# KiCad board MozzaCircuit.kicad_pcb (continued)
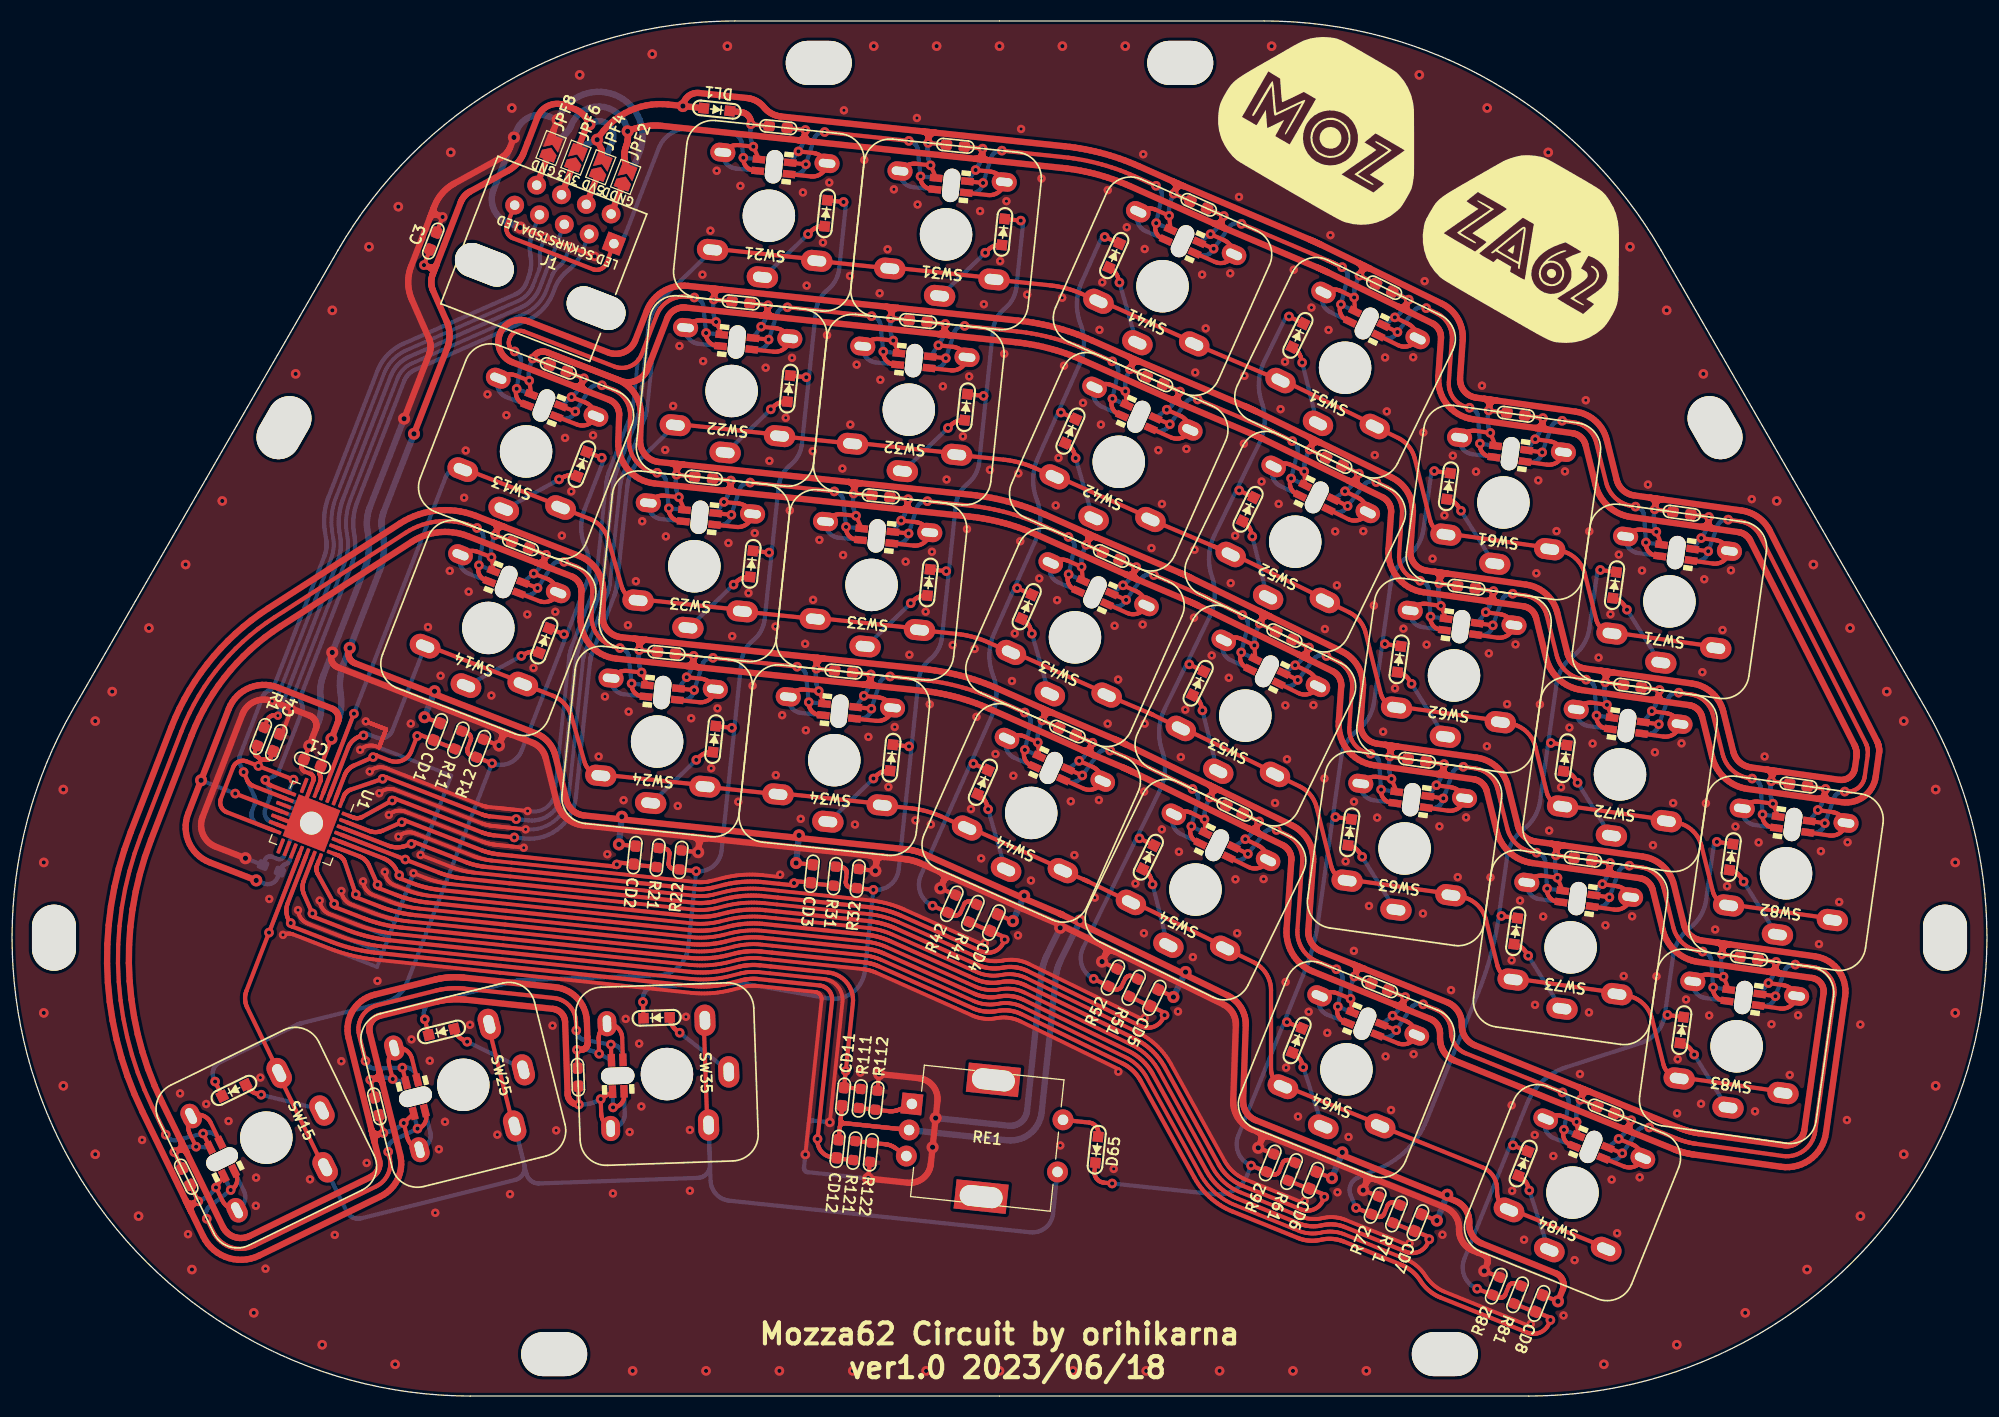
[diagram p0: board, top side]
## Routing (per net, layer and track width the routed paths; a pad name or vN(x,y) marks a point on that pad's centre or on a via; arc(x,y) is an arc through that point) (continued)
  Bottom w0.4: 141.86,45.83 141.79,45.33 141.71,44.83 141.61,44.34 141.52,43.84 141.41,43.34 141.29,42.85 141.17,42.36 141.04,41.87 140.9,41.39 140.75,40.9 140.6,40.42 140.44,39.94 140.27,39.47 140.09,38.99 139.9,38.52 134.97,26.32 134.8,25.91 134.6,25.51 134.38,25.13 134.14,24.76 133.89,24.4 133.61,24.05 133.32,23.72 133.01,23.4 132.68,23.1 132.34,22.82 131.98,22.56 131.62,22.32 131.23,22.09 130.84,21.89 130.44,21.7 128.41,20.84 128.29,20.78 128.18,20.71 128.07,20.63 127.97,20.53 127.88,20.43 127.81,20.32 127.74,20.2 127.69,20.07 127.66,19.94 127.63,19.81 127.62,19.67 127.63,19.53 127.65,19.4 127.68,19.27 127.73,19.14 v2(128.23,17.94) 129.72,17.34 130.27,17.12 130.32,17.1 130.37,17.09 130.43,17.08 130.48,17.08 130.53,17.09 130.58,17.1 130.63,17.11 130.68,17.13 130.73,17.16 130.77,17.19 130.81,17.22 130.84,17.26 130.87,17.3 130.9,17.35 130.92,17.39 131.23,18.16 131.26,18.21 131.28,18.25 131.31,18.29 131.35,18.33 131.39,18.37 131.43,18.4 131.48,18.42 131.53,18.44 131.58,18.46 131.63,18.47 131.68,18.47 131.73,18.47 131.78,18.47 131.83,18.45 131.88,18.44 R71.1 ; 141.86,45.83 D73.1 ; 141.86,45.83 142.65,51.41 142.68,51.62 142.73,51.83 142.78,52.03 142.85,52.23 142.93,52.43 143.02,52.62 143.12,52.81 143.22,53 143.34,53.17 143.47,53.34 143.6,53.51 143.74,53.66 143.9,53.81 144.05,53.95 144.22,54.08 144.39,54.22 144.54,54.36 144.7,54.5 144.84,54.66 144.97,54.82 145.1,54.99 145.22,55.17 145.32,55.35 145.42,55.54 145.51,55.74 145.59,55.93 145.66,56.13 145.71,56.34 145.76,56.54 145.79,56.75 146.58,62.34 ; 146.58,62.34 D72.1 ; 146.58,62.34 147.36,67.92 147.4,68.13 147.44,68.33 147.5,68.54 147.57,68.74 147.64,68.94 147.73,69.13 147.83,69.32 147.94,69.5 148.05,69.68 148.18,69.85 148.32,70.01 148.46,70.17 148.61,70.32 148.77,70.46 148.93,70.59 149.1,70.72 149.26,70.86 149.41,71.01 149.55,71.17 149.69,71.33 149.81,71.5 149.93,71.68 150.04,71.86 150.14,72.05 150.22,72.24 150.3,72.44 150.37,72.64 150.43,72.84 150.47,73.05 150.51,73.26 151.29,78.84 D71.1
  vias: v2(142.11,45.8) v2(146.83,62.3) v2(151.54,78.81)
Net-(D71-Pad2): length 9.7
  Top w0.4: D71.2 152.82,76.1 152.91,76.08 153,76.05 153.09,76.02 153.17,75.98 153.25,75.94 153.33,75.9 153.41,75.85 153.49,75.79 153.56,75.73 153.63,75.67 153.69,75.6 153.75,75.53 153.81,75.46 153.86,75.38 v2(154.09,75.01)
  Bottom w0.4: D71.2 152.82,76.1 152.91,76.08 153,76.05 153.09,76.02 153.17,75.98 153.25,75.94 153.33,75.9 153.41,75.85 153.49,75.79 153.56,75.73 153.63,75.67 153.69,75.6 153.75,75.53 153.81,75.46 153.86,75.38 v2(154.09,75.01) 157.21,70.02 157.22,70.01 157.23,69.99 157.25,69.98 157.26,69.98 157.28,69.97 157.3,69.97 157.32,69.97
Net-(D72-Pad2): length 9.7
  Top w0.4: 148.01,59.61 148.1,59.59 148.19,59.57 148.28,59.55 148.37,59.52 148.46,59.48 148.54,59.44 148.62,59.39 148.7,59.34 148.77,59.29 148.84,59.23 148.91,59.16 148.98,59.1 149.04,59.03 149.09,58.95 149.14,58.87 v2(149.37,58.51)
  Bottom w0.4: SW72.1 152.58,53.46 152.57,53.47 152.55,53.47 152.53,53.48 152.52,53.49 152.51,53.5 152.49,53.51 v2(149.37,58.51) 149.14,58.87 149.09,58.95 149.04,59.03 148.98,59.1 148.91,59.16 148.84,59.23 148.77,59.29 148.7,59.34 148.62,59.39 148.54,59.44 148.46,59.48 148.37,59.52 148.28,59.55 148.19,59.57 148.1,59.59 148.01,59.61
Net-(D73-Pad2): length 9.7
  Top w0.4: 143.3,43.11 143.39,43.09 143.48,43.07 143.57,43.04 143.66,43.01 143.74,42.98 143.82,42.93 143.91,42.89 143.98,42.84 144.06,42.78 144.13,42.72 144.2,42.66 144.26,42.59 144.32,42.52 144.38,42.45 144.43,42.37 v2(144.66,42.01)
  Bottom w0.4: 143.3,43.11 143.39,43.09 143.48,43.07 143.57,43.04 143.66,43.01 143.74,42.98 143.82,42.93 143.91,42.89 143.98,42.84 144.06,42.78 144.13,42.72 144.2,42.66 144.26,42.59 144.32,42.52 144.38,42.45 144.43,42.37 v2(144.66,42.01) 147.78,37.01 147.79,37 147.8,36.98 147.82,36.97 147.83,36.97 147.85,36.96 147.87,36.96 SW73.1
Net-(D82-Pad1): length 74.7
  Top w0.4: D84.1 142.98,24.01 ; D82.1 162.42,52.9 ; D83.1 157.7,36.39 ; v2(139.79,10.24) R82.1 141.83,9.41 141.88,9.4 141.93,9.38 141.98,9.38 142.03,9.38 142.09,9.38 142.14,9.39 142.19,9.41 142.24,9.43 142.28,9.45 142.32,9.48 142.36,9.52 142.4,9.56 142.43,9.6 142.46,9.64 142.48,9.69 142.79,10.46 142.81,10.5 142.84,10.55 142.87,10.59 142.91,10.63 142.94,10.66 142.99,10.69 143.03,10.72 143.08,10.74 143.13,10.75 143.18,10.76 143.24,10.77 143.29,10.77 143.34,10.76 143.39,10.75 143.44,10.73 R81.1
  Bottom w0.4: 157.7,36.39 157.66,36.15 157.6,35.91 157.52,35.68 157.42,35.45 157.31,35.23 157.18,35.02 157.04,34.82 156.88,34.63 156.7,34.45 156.52,34.28 156.32,34.13 156.11,34 155.9,33.88 155.67,33.78 155.44,33.69 148.26,31.36 147.93,31.24 147.61,31.11 147.3,30.95 147,30.78 146.7,30.59 146.42,30.38 146.15,30.16 145.9,29.92 145.66,29.67 145.43,29.4 145.22,29.13 145.03,28.84 144.85,28.53 144.69,28.22 144.55,27.9 142.98,24.01 ; 157.7,36.39 158.49,41.98 158.52,42.19 158.57,42.39 158.63,42.6 158.69,42.8 158.77,43 158.86,43.19 158.96,43.38 159.06,43.56 159.18,43.74 159.31,43.91 159.44,44.07 159.59,44.23 159.74,44.37 159.9,44.52 160.06,44.65 160.23,44.78 160.39,44.92 160.54,45.07 160.68,45.22 160.81,45.39 160.94,45.56 161.06,45.74 161.17,45.92 161.26,46.11 161.35,46.3 161.43,46.5 161.5,46.7 161.55,46.9 161.6,47.11 161.63,47.32 162.42,52.9 D82.1 ; 157.7,36.39 D83.1 ; D84.1 142.98,24.01 ; 142.98,24.01 138.57,13.1 138.5,12.88 138.45,12.66 138.42,12.43 138.41,12.2 138.43,11.97 138.48,11.75 138.55,11.53 138.64,11.31 138.75,11.11 138.88,10.92 139.03,10.75 139.2,10.59 139.38,10.45 139.58,10.33 v2(139.79,10.24) R82.1 141.83,9.41 141.88,9.4 141.93,9.38 141.98,9.38 142.03,9.38 142.09,9.38 142.14,9.39 142.19,9.41 142.24,9.43 142.28,9.45 142.32,9.48 142.36,9.52 142.4,9.56 142.43,9.6 142.46,9.64 142.48,9.69 142.79,10.46 142.81,10.5 142.84,10.55 142.87,10.59 142.91,10.63 142.94,10.66 142.99,10.69 143.03,10.72 143.08,10.74 143.13,10.75 143.18,10.76 143.24,10.77 143.29,10.77 143.34,10.76 143.39,10.75 143.44,10.73 R81.1
  vias: v2(143.21,23.91) v2(157.95,36.36) v2(162.67,52.87)
Net-(D82-Pad2): length 9.7
  Top w0.4: v2(165.21,49.07) 164.99,49.44 164.93,49.52 164.88,49.59 164.82,49.66 164.75,49.73 164.69,49.79 164.61,49.85 164.54,49.91 164.46,49.96 164.38,50 164.3,50.04 164.21,50.08 164.12,50.11 164.04,50.14 163.95,50.16 163.85,50.17
  Bottom w0.4: 163.85,50.17 163.95,50.16 164.04,50.14 164.12,50.11 164.21,50.08 164.3,50.04 164.38,50 164.46,49.96 164.54,49.91 164.61,49.85 164.69,49.79 164.75,49.73 164.82,49.66 164.88,49.59 164.93,49.52 164.99,49.44 v2(165.21,49.07) 168.34,44.08 168.35,44.06 168.36,44.05 168.37,44.04 168.39,44.03 168.41,44.03 168.42,44.03 SW82.1
Net-(D83-Pad2): length 9.7
  Top w0.4: v2(160.5,32.57) 160.27,32.93 160.22,33.01 160.16,33.09 160.1,33.16 160.04,33.22 159.97,33.29 159.9,33.35 159.82,33.4 159.75,33.45 159.67,33.5 159.58,33.54 159.5,33.57 159.41,33.61 159.32,33.63 159.23,33.65 D83.2
  Bottom w0.4: 163.73,27.52 163.71,27.52 163.69,27.52 163.68,27.53 163.66,27.54 163.64,27.55 163.63,27.56 163.62,27.57 v2(160.5,32.57) 160.27,32.93 160.22,33.01 160.16,33.09 160.1,33.16 160.04,33.22 159.97,33.29 159.9,33.35 159.82,33.4 159.75,33.45 159.67,33.5 159.58,33.54 159.5,33.57 159.41,33.61 159.32,33.63 159.23,33.65 D83.2
Net-(D84-Pad2): length 9.7
  Top w0.4: D84.2 143.8,20.98 143.88,20.94 143.96,20.89 144.04,20.84 144.11,20.78 144.18,20.72 144.25,20.66 144.31,20.59 144.37,20.52 144.43,20.44 144.48,20.37 144.52,20.28 144.57,20.2 144.6,20.12 144.63,20.03 v2(144.77,19.62)
  Bottom w0.4: D84.2 143.8,20.98 143.88,20.94 143.96,20.89 144.04,20.84 144.11,20.78 144.18,20.72 144.25,20.66 144.31,20.59 144.37,20.52 144.43,20.44 144.48,20.37 144.52,20.28 144.57,20.2 144.6,20.12 144.63,20.03 v2(144.77,19.62) 146.59,14.02 146.59,14 146.6,13.99 146.62,13.97 146.63,13.96 146.64,13.95 146.66,13.94 146.68,13.94
Net-(J1-Pad2): length 6.2
  Top w0.6: J1.2 JPF2.1
  Bottom w0.6: J1.2 JPF2.1
Net-(J1-Pad4): length 6.2
  Top w0.6: 54.79,113.68 JPF4.1
  Bottom w0.6: 54.79,113.68 JPF4.1
Net-(J1-Pad6): length 6.2
  Top w0.6: 52.43,114.6 JPF6.1
  Bottom w0.6: 52.43,114.6 JPF6.1
Net-(J1-Pad8): length 6.2
  Top w0.6: J1.8 JPF8.1
  Bottom w0.6: J1.8 JPF8.1
Net-(L13-Pad1): length 26.1
  Top w0.4: L23.3 63.65,83.48 63.53,83.5 63.42,83.53 63.31,83.57 63.21,83.62 63.12,83.69 63.03,83.76 62.94,83.84 62.87,83.93 62.81,84.03 62.76,84.13 62.72,84.24 62.69,84.35 62.67,84.46 62.66,84.58 v2(62.67,84.69) ; v2(56.28,96.42) 57.34,96.01 57.53,95.93 57.72,95.83 57.89,95.71 58.06,95.58 58.21,95.44 58.36,95.29 58.49,95.12 58.6,94.95 58.7,94.76 58.79,94.57 58.86,94.37 58.91,94.17 58.95,93.96 58.97,93.75 58.97,93.54 58.88,91.15 58.89,90.85 58.92,90.55 58.99,90.26 59.08,89.98 59.2,89.7 59.35,89.44 59.52,89.2 59.71,88.98 59.93,88.77 60.17,88.59 60.42,88.43 60.69,88.3 60.97,88.2 61.26,88.12 v2(61.55,88.08) ; L13.1 v2(53.74,93.92)
  Bottom w0.4: L13.5 52.32,93.29 52.43,93.26 52.54,93.23 52.65,93.22 52.77,93.22 52.88,93.23 53,93.26 53.11,93.29 53.21,93.34 53.31,93.39 53.41,93.46 53.49,93.54 53.57,93.62 53.64,93.72 53.69,93.82 v2(53.74,93.92) 55.14,96.06 55.19,96.13 55.25,96.19 55.31,96.25 55.38,96.31 55.45,96.35 55.52,96.39 55.6,96.43 55.69,96.45 55.77,96.47 55.86,96.48 55.94,96.49 56.03,96.48 56.11,96.47 56.2,96.45 v2(56.28,96.42) ; 64.16,84.53 v2(62.67,84.69) 62.4,87.23 62.39,87.31 62.37,87.4 62.34,87.48 62.3,87.56 62.26,87.63 62.21,87.7 62.16,87.77 62.1,87.83 62.03,87.89 61.96,87.94 61.88,87.98 61.8,88.01 61.72,88.04 61.64,88.06 v2(61.55,88.08)
Net-(L13-Pad3): length 38.9
  Top w0.4: v2(48.15,96.09) 48.11,95.98 48.09,95.87 48.07,95.76 48.07,95.64 48.09,95.53 48.11,95.41 48.14,95.3 48.19,95.2 48.25,95.1 48.32,95 48.39,94.92 48.48,94.84 48.57,94.77 48.67,94.71 48.78,94.67 49.15,94.52 ; v2(47.96,99.65) 47.87,99.69 47.79,99.74 47.72,99.79 47.65,99.85 47.59,99.92 47.53,100 47.49,100.08 47.45,100.16 47.42,100.25 47.4,100.34 47.39,100.43 47.39,100.53 47.4,100.62 47.42,100.71 47.45,100.8 47.51,100.95 47.56,101.05 47.61,101.14 47.68,101.23 47.75,101.31 47.83,101.39 47.92,101.45 48.02,101.51 48.12,101.55 48.22,101.58 48.33,101.61 48.44,101.62 48.55,101.62 48.66,101.61 48.77,101.58 48.87,101.55 57.47,98.21 57.67,98.15 57.87,98.1 58.08,98.08 58.29,98.08 58.5,98.1 58.7,98.14 58.9,98.21 59.09,98.29 59.28,98.4 59.45,98.52 59.6,98.66 59.74,98.81 59.87,98.98 59.97,99.16 60.06,99.35 61.52,103.13 61.62,103.35 61.73,103.56 61.87,103.76 62.02,103.95 62.18,104.12 62.36,104.28 62.55,104.42 62.76,104.55 62.97,104.65 63.19,104.74 63.42,104.81 63.66,104.85 63.9,104.88 64.13,104.89 64.37,104.87 v2(65.11,104.8) ; L22.1 67.2,100.2 67.09,100.22 66.98,100.25 66.87,100.29 66.77,100.34 66.67,100.41 66.58,100.48 66.5,100.56 66.43,100.65 66.36,100.75 66.31,100.85 66.27,100.96 66.24,101.07 66.22,101.18 66.22,101.3 v2(66.22,101.41)
  Bottom w0.4: L22.5 v2(66.22,101.41) 65.96,103.95 65.94,104.03 65.92,104.12 65.89,104.2 65.86,104.28 65.82,104.35 65.77,104.42 65.71,104.49 65.65,104.55 65.58,104.61 65.51,104.66 65.44,104.7 65.36,104.73 65.28,104.76 65.19,104.78 v2(65.11,104.8) ; 49.55,95.55 v2(48.15,96.09) 48.56,98.61 48.57,98.7 48.57,98.78 48.56,98.87 48.55,98.95 48.53,99.04 48.5,99.12 48.46,99.2 48.42,99.27 48.37,99.34 48.31,99.41 48.25,99.47 48.19,99.53 48.11,99.57 48.04,99.62 v2(47.96,99.65)
Net-(L14-Pad1): length 91.5
  Top w0.4: v2(44.55,79.25) 44.51,79.14 44.49,79.03 44.47,78.92 44.47,78.8 44.48,78.69 44.51,78.57 44.54,78.46 44.59,78.36 44.65,78.26 44.71,78.17 44.79,78.08 44.88,78 44.97,77.93 45.07,77.88 45.17,77.83 45.55,77.68 ; v2(14.67,24.93) 13.37,27.59 12.64,29.21 11.99,30.86 11.44,32.54 10.98,34.26 10.62,35.99 10.35,37.75 10.18,39.51 10.11,41.28 10.13,43.06 10.25,44.83 10.47,46.59 10.78,48.33 11.19,50.06 11.69,51.76 12.29,53.43 16.15,63.4 16.52,64.28 16.92,65.14 17.35,65.99 17.82,66.82 18.33,67.62 18.87,68.41 19.44,69.17 20.04,69.91 20.67,70.62 21.33,71.31 22.02,71.96 22.74,72.59 23.48,73.19 24.25,73.75 25.04,74.29 37.58,82.37 37.95,82.59 38.34,82.79 38.74,82.97 39.15,83.12 39.57,83.25 39.99,83.34 40.42,83.42 40.86,83.46 41.29,83.48 41.73,83.47 42.17,83.43 42.6,83.36 43.02,83.27 43.45,83.15 43.86,83.01 v2(44.36,82.81) ; L15.3 v2(18.23,25.04)
  Bottom w0.4: v2(44.36,82.81) 44.44,82.78 44.51,82.73 44.58,82.69 44.65,82.63 44.71,82.57 44.77,82.5 44.82,82.43 44.86,82.36 44.9,82.28 44.93,82.2 44.95,82.11 44.96,82.03 44.97,81.94 44.96,81.86 44.95,81.77 v2(44.55,79.25) 45.94,78.71 ; v2(14.67,24.93) 14.71,24.86 14.76,24.79 14.81,24.72 14.87,24.66 14.94,24.6 15.01,24.55 15.08,24.51 15.16,24.47 15.24,24.44 15.33,24.42 15.41,24.41 15.5,24.4 15.58,24.4 15.67,24.41 15.76,24.43 v2(18.23,25.04) 18.34,25.09 18.45,25.12 18.56,25.15 18.67,25.16 18.79,25.15 18.9,25.14 19.02,25.11 19.12,25.08 19.23,25.03 19.33,24.97 19.42,24.9 19.5,24.82 19.58,24.73 19.65,24.64 19.7,24.54 L15.7
Net-(L14-Pad3): length 26
  Top w0.4: v2(59.11,67.97) 59.11,67.86 59.11,67.74 59.13,67.63 59.16,67.52 59.2,67.41 59.25,67.31 59.32,67.21 59.39,67.12 59.47,67.04 59.56,66.97 59.66,66.9 59.76,66.85 59.87,66.81 59.98,66.78 60.09,66.76 L24.1 ; v2(58,71.36) 57.7,71.4 57.41,71.48 57.12,71.58 56.85,71.72 56.59,71.88 56.35,72.06 56.13,72.27 55.93,72.5 55.76,72.75 55.61,73.01 55.49,73.29 55.39,73.57 55.33,73.87 55.29,74.17 55.29,74.47 55.37,76.71 55.36,76.92 55.35,77.12 55.31,77.33 55.26,77.54 55.19,77.73 55.1,77.93 55,78.11 54.89,78.28 54.76,78.45 54.61,78.6 54.46,78.75 54.29,78.87 54.12,78.99 53.93,79.09 53.74,79.17 v2(52.68,79.58) ; 48.74,77.62 v2(50.14,77.08)
  Bottom w0.4: L24.5 v2(59.11,67.97) 58.85,70.51 58.83,70.59 58.81,70.68 58.79,70.76 58.75,70.84 58.71,70.91 58.66,70.98 58.6,71.05 58.54,71.11 58.48,71.17 58.4,71.22 58.33,71.26 58.25,71.29 58.17,71.32 58.08,71.34 v2(58,71.36) ; 48.34,76.6 48.72,76.45 48.83,76.42 48.94,76.39 49.05,76.38 49.17,76.38 49.28,76.39 49.4,76.42 49.51,76.45 49.61,76.5 49.71,76.56 49.8,76.62 49.89,76.7 49.97,76.79 50.04,76.88 50.09,76.98 v2(50.14,77.08) 51.54,79.22 51.59,79.29 51.64,79.35 51.71,79.41 51.77,79.47 51.85,79.51 51.92,79.55 52,79.59 52.08,79.61 52.17,79.63 52.25,79.64 52.34,79.65 52.43,79.64 52.51,79.63 52.6,79.61 v2(52.68,79.58)
Net-(L15-Pad1): length 37.7
  Top w0.4: 21.19,21.48 21.37,21.12 21.41,21.02 21.45,20.91 21.47,20.79 21.48,20.68 21.48,20.56 21.46,20.45 21.44,20.34 21.4,20.23 21.35,20.12 21.29,20.03 21.22,19.93 21.14,19.85 21.06,19.77 20.96,19.71 v2(20.86,19.65) ; v2(18.58,16.91) 19.18,15.69 19.32,15.42 19.5,15.17 19.7,14.93 19.93,14.72 20.18,14.54 20.44,14.38 20.72,14.25 21.01,14.15 21.31,14.08 21.62,14.04 21.93,14.04 22.24,14.06 22.54,14.12 22.84,14.21 23.12,14.33 34.72,19.99 34.91,20.09 35.1,20.22 35.27,20.36 35.43,20.51 35.57,20.68 35.7,20.86 35.81,21.05 35.91,21.26 35.98,21.47 36.04,21.68 36.07,21.9 36.09,22.12 36.09,22.34 36.06,22.56 36.02,22.78 v2(35.89,23.3) ; v2(38.69,25.51) 38.8,25.54 38.9,25.59 39.01,25.64 39.1,25.71 39.19,25.79 39.27,25.87 39.33,25.96 39.39,26.06 39.44,26.16 39.48,26.27 39.51,26.39 39.52,26.5 39.52,26.62 39.51,26.73 39.49,26.84 39.39,27.23
  Bottom w0.4: L15.5 v2(20.86,19.65) 18.85,18.08 18.78,18.02 18.72,17.96 18.67,17.9 18.62,17.82 18.58,17.75 18.55,17.67 18.52,17.59 18.5,17.5 18.49,17.42 18.48,17.33 18.49,17.24 18.5,17.16 18.52,17.07 18.55,16.99 v2(18.58,16.91) ; v2(35.89,23.3) 35.87,23.39 35.86,23.48 35.86,23.56 35.87,23.65 35.88,23.73 35.9,23.82 35.93,23.9 35.97,23.98 36.01,24.05 36.06,24.12 36.12,24.19 36.18,24.25 36.25,24.3 36.32,24.35 36.4,24.39 v2(38.69,25.51) 38.33,26.96
Net-(L21-Pad1): length 23
  Top w0.4: v2(77.54,120.58) 85.57,119.74 ; L21.1 v2(75.74,117.5) ; v2(86.68,116.35) 86.68,116.24 86.68,116.12 86.7,116.01 86.73,115.9 86.77,115.79 86.82,115.69 86.89,115.59 86.96,115.5 87.04,115.42 87.13,115.35 87.23,115.29 87.33,115.23 87.44,115.19 87.55,115.16 87.66,115.15 88.06,115.1
  Bottom w0.4: v2(85.57,119.74) 85.65,119.73 85.74,119.7 85.82,119.68 85.9,119.64 85.97,119.6 86.04,119.55 86.11,119.49 86.17,119.43 86.23,119.37 86.28,119.3 86.32,119.22 86.35,119.14 86.38,119.06 86.4,118.98 86.42,118.89 v2(86.68,116.35) L31.7 ; v2(77.54,120.58) 77.45,120.59 77.36,120.59 77.28,120.58 77.19,120.56 77.11,120.53 77.03,120.5 76.95,120.46 76.88,120.41 76.81,120.36 76.75,120.3 76.69,120.23 76.64,120.16 76.6,120.09 76.56,120.01 76.53,119.93 v2(75.74,117.5) 75.72,117.39 75.69,117.28 75.65,117.17 75.6,117.07 75.54,116.97 75.47,116.88 75.38,116.8 75.3,116.73 75.2,116.67 75.1,116.61 74.99,116.57 74.88,116.54 74.76,116.52 74.65,116.52 74.53,116.52 L21.5
Net-(L22-Pad3): length 23
  Top w0.4: v2(83.13,99.63) 83.12,99.52 83.13,99.4 83.15,99.29 83.18,99.18 83.22,99.07 83.27,98.97 83.33,98.87 83.41,98.78 83.49,98.7 83.58,98.63 83.67,98.57 83.78,98.51 83.88,98.47 83.99,98.44 84.11,98.43 84.51,98.38 ; L22.3 v2(72.19,100.78) ; v2(73.98,103.86) 82.01,103.02
  Bottom w0.4: v2(73.98,103.86) 73.9,103.87 73.81,103.87 73.72,103.86 73.64,103.84 73.56,103.81 73.48,103.78 73.4,103.74 73.33,103.69 73.26,103.64 73.2,103.58 73.14,103.51 73.09,103.44 73.05,103.37 73.01,103.29 72.98,103.21 v2(72.19,100.78) 72.17,100.67 72.14,100.56 72.1,100.45 72.05,100.35 71.98,100.25 71.91,100.16 71.83,100.08 71.74,100.01 71.64,99.95 71.54,99.89 71.43,99.85 71.32,99.82 71.21,99.8 71.09,99.8 70.98,99.8 70.58,99.85 ; v2(82.01,103.02) 82.1,103.01 82.18,102.98 82.26,102.96 82.34,102.92 82.42,102.88 82.49,102.83 82.56,102.77 82.62,102.71 82.67,102.65 82.72,102.58 82.76,102.5 82.8,102.42 82.83,102.34 82.85,102.26 82.86,102.17 v2(83.13,99.63) L32.5
Net-(L23-Pad1): length 23
  Top w0.4: L23.1 v2(68.63,84.06) ; v2(79.57,82.91) 79.57,82.8 79.57,82.68 79.59,82.57 79.62,82.46 79.66,82.35 79.72,82.25 79.78,82.15 79.85,82.06 79.93,81.98 80.02,81.91 80.12,81.85 80.22,81.79 80.33,81.75 80.44,81.72 80.55,81.71 80.95,81.66 ; v2(70.43,87.14) 78.46,86.3
  Bottom w0.4: v2(70.43,87.14) 70.34,87.15 70.26,87.15 70.17,87.14 70.09,87.12 70,87.09 69.92,87.06 69.85,87.02 69.77,86.97 69.71,86.92 69.64,86.86 69.59,86.79 69.54,86.72 69.49,86.65 69.45,86.57 69.42,86.49 v2(68.63,84.06) 68.62,83.95 68.59,83.84 68.55,83.73 68.49,83.63 68.43,83.53 68.36,83.44 68.28,83.36 68.19,83.29 68.09,83.23 67.99,83.17 67.88,83.13 67.77,83.1 67.66,83.08 67.54,83.08 67.43,83.08 L23.5 ; v2(78.46,86.3) 78.55,86.29 78.63,86.26 78.71,86.24 78.79,86.2 78.87,86.16 78.94,86.11 79,86.05 79.06,85.99 79.12,85.93 79.17,85.86 79.21,85.78 79.25,85.7 79.27,85.62 79.3,85.54 79.31,85.45 v2(79.57,82.91) L33.7
Net-(L24-Pad3): length 23
  Top w0.4: v2(66.87,70.42) 74.91,69.58 ; 77.4,64.94 77,64.99 76.89,65 76.77,65.03 76.67,65.07 76.56,65.13 76.47,65.19 76.38,65.26 76.3,65.34 76.22,65.43 76.16,65.53 76.11,65.63 76.07,65.74 76.04,65.85 76.02,65.96 76.01,66.08 v2(76.02,66.19) ; L24.3 v2(65.08,67.34)
  Bottom w0.4: v2(74.91,69.58) 74.99,69.57 75.08,69.54 75.16,69.52 75.24,69.48 75.31,69.44 75.38,69.39 75.45,69.33 75.51,69.27 75.57,69.21 75.61,69.14 75.66,69.06 75.69,68.98 75.72,68.9 75.74,68.82 75.75,68.73 v2(76.02,66.19) L34.5 ; v2(66.87,70.42) 66.79,70.43 66.7,70.43 66.62,70.42 66.53,70.4 66.45,70.37 66.37,70.34 66.29,70.3 66.22,70.25 66.15,70.2 66.09,70.14 66.03,70.07 65.98,70 65.94,69.93 65.9,69.85 65.87,69.77 v2(65.08,67.34) 65.06,67.23 65.03,67.12 64.99,67.01 64.94,66.91 64.88,66.81 64.8,66.72 64.72,66.64 64.63,66.57 64.54,66.51 64.43,66.45 64.33,66.41 64.22,66.38 64.1,66.36 63.99,66.36 63.87,66.36 63.47,66.41
Net-(L25-Pad1): length 42.5
  Top w0.4: L25.1 v2(37.24,31.33) ; v2(33.73,31.96) 33.11,34.43 33.07,34.67 33.05,34.91 33.05,35.16 33.08,35.4 33.14,35.64 33.22,35.88 33.32,36.1 33.45,36.31 33.59,36.51 33.76,36.69 33.95,36.85 34.15,36.99 34.37,37.11 34.59,37.2 34.83,37.28 40.42,38.67 40.6,38.71 40.78,38.75 40.97,38.79 41.15,38.82 41.33,38.84 41.52,38.86 41.7,38.88 41.89,38.89 42.08,38.9 42.26,38.91 42.45,38.91 42.63,38.9 42.82,38.89 43.01,38.88 43.19,38.86 51.7,37.97 51.93,37.94 52.14,37.88 52.35,37.8 52.56,37.71 52.75,37.6 52.93,37.46 53.1,37.32 53.25,37.15 53.39,36.97 53.51,36.78 53.61,36.58 53.69,36.37 53.75,36.16 53.79,35.94 53.81,35.71 v2(53.84,34.88) ; L35.3 v2(57.14,33.53)
  Bottom w0.4: v2(33.73,31.96) 33.75,31.88 33.79,31.8 33.82,31.72 33.87,31.65 33.92,31.58 33.98,31.52 34.05,31.46 34.11,31.41 34.19,31.36 34.27,31.32 34.35,31.29 34.43,31.27 34.51,31.25 34.6,31.24 34.69,31.24 v2(37.24,31.33) 37.35,31.35 37.47,31.36 37.58,31.36 37.69,31.35 37.81,31.32 37.92,31.28 38.02,31.24 38.12,31.18 38.21,31.11 38.29,31.03 38.37,30.94 38.44,30.85 38.49,30.75 38.54,30.64 38.57,30.53 38.67,30.14 ; L35.7 58.27,32.47 58.26,32.58 58.24,32.7 58.21,32.81 58.16,32.91 58.11,33.01 58.04,33.11 57.97,33.19 57.88,33.27 57.79,33.34 57.69,33.4 57.59,33.45 57.48,33.49 57.37,33.51 57.25,33.53 v2(57.14,33.53) 54.62,33.97 54.54,33.99 54.46,34.02 54.38,34.05 54.3,34.09 54.23,34.14 54.16,34.19 54.1,34.25 54.04,34.32 53.99,34.39 53.95,34.46 53.91,34.54 53.88,34.62 53.86,34.71 53.84,34.79 v2(53.84,34.88)
Net-(L31-Pad1): length 30.2
  Top w0.4: v2(109.17,111.89) 109.13,111.78 109.1,111.67 109.08,111.56 109.07,111.44 109.08,111.33 109.1,111.21 109.13,111.1 109.17,111 109.22,110.89 109.28,110.8 109.35,110.71 109.44,110.63 109.52,110.55 109.62,110.49 109.72,110.44 110.09,110.28 ; v2(109.15,115.45) 107.06,116.38 106.64,116.57 106.2,116.74 105.77,116.91 105.33,117.07 104.89,117.22 104.44,117.36 103.99,117.49 103.54,117.61 103.09,117.72 102.63,117.82 102.17,117.92 101.71,118 101.25,118.07 100.79,118.13 100.33,118.19 v2(94.44,118.81) ; 91.16,115.88 v2(92.65,115.73)
  Bottom w0.4: 91.04,114.79 91.44,114.75 91.56,114.74 91.67,114.75 91.78,114.77 91.9,114.8 92,114.84 92.11,114.89 92.2,114.95 92.29,115.02 92.37,115.11 92.45,115.2 92.51,115.29 92.56,115.39 92.6,115.5 92.63,115.61 v2(92.65,115.73) 93.44,118.15 93.47,118.23 93.51,118.31 93.55,118.39 93.6,118.46 93.66,118.52 93.72,118.58 93.79,118.63 93.86,118.68 93.94,118.72 94.02,118.75 94.1,118.78 94.19,118.8 94.27,118.81 94.36,118.81 v2(94.44,118.81) ; L41.7 v2(109.17,111.89) 109.7,114.38 109.71,114.47 109.72,114.56 109.72,114.64 109.71,114.73 109.69,114.81 109.66,114.9 109.63,114.98 109.59,115.05 109.55,115.13 109.49,115.2 109.44,115.26 109.37,115.32 109.3,115.37 109.23,115.41 v2(109.15,115.45)
Net-(L32-Pad3): length 29.6
  Top w0.4: v2(90.89,102.09) 95.87,101.56 96.33,101.51 96.8,101.45 97.26,101.37 97.72,101.29 98.18,101.2 98.63,101.1 99.09,100.98 99.54,100.86 99.99,100.73 100.43,100.59 100.87,100.44 101.31,100.29 101.75,100.12 102.18,99.94 102.61,99.76 v2(104.97,98.7) ; L32.3 v2(89.1,99.01) ; v2(104.99,95.14) 104.95,95.03 104.92,94.92 104.9,94.81 104.89,94.69 104.9,94.58 104.92,94.47 104.95,94.35 104.99,94.25 105.04,94.14 105.1,94.05 105.18,93.96 105.26,93.88 105.35,93.8 105.44,93.74 105.55,93.69 L42.1
  Bottom w0.4: 106.36,94.53 v2(104.99,95.14) 105.52,97.63 105.53,97.72 105.54,97.81 105.54,97.89 105.53,97.98 105.51,98.06 105.49,98.15 105.46,98.23 105.42,98.3 105.37,98.38 105.32,98.45 105.26,98.51 105.19,98.57 105.13,98.62 105.05,98.67 v2(104.97,98.7) ; 87.49,98.07 87.89,98.03 88,98.02 88.12,98.03 88.23,98.05 88.34,98.08 88.45,98.12 88.55,98.17 88.65,98.23 88.74,98.3 88.82,98.39 88.89,98.48 88.95,98.57 89.01,98.67 89.05,98.78 89.08,98.89 v2(89.1,99.01) 89.88,101.43 89.91,101.51 89.95,101.59 90,101.67 90.05,101.74 90.1,101.8 90.17,101.86 90.23,101.91 90.31,101.96 90.38,102 90.46,102.03 90.55,102.06 90.63,102.08 90.72,102.09 90.8,102.09 v2(90.89,102.09)
Net-(L33-Pad1): length 29
  Top w0.4: 84.05,82.44 v2(85.54,82.29) ; v2(87.34,85.37) 91.41,84.94 91.88,84.88 92.34,84.82 92.8,84.75 93.26,84.66 93.72,84.57 94.18,84.47 94.63,84.36 95.08,84.24 95.53,84.11 95.97,83.97 96.42,83.82 96.86,83.66 97.29,83.49 97.73,83.32 98.15,83.13 v2(100.8,81.95) ; L43.3 101.37,76.94 101.27,76.99 101.17,77.05 101.08,77.13 101,77.21 100.93,77.3 100.87,77.39 100.81,77.5 100.77,77.6 100.74,77.72 100.72,77.83 100.72,77.94 100.72,78.06 100.74,78.17 100.77,78.28 v2(100.81,78.39)
  Bottom w0.4: 83.93,81.35 84.33,81.31 84.45,81.3 84.56,81.31 84.68,81.33 84.79,81.36 84.9,81.4 85,81.45 85.09,81.51 85.18,81.58 85.27,81.67 85.34,81.76 85.4,81.85 85.45,81.95 85.49,82.06 85.52,82.17 v2(85.54,82.29) 86.33,84.71 86.36,84.79 86.4,84.87 86.44,84.95 86.49,85.02 86.55,85.08 86.61,85.14 86.68,85.19 86.75,85.24 86.83,85.28 86.91,85.31 86.99,85.34 87.08,85.36 87.16,85.37 87.25,85.37 v2(87.34,85.37) ; v2(100.8,81.95) 100.88,81.92 100.95,81.87 101.02,81.82 101.08,81.76 101.14,81.7 101.19,81.63 101.24,81.55 101.28,81.48 101.31,81.4 101.34,81.31 101.35,81.23 101.36,81.14 101.36,81.06 101.36,80.97 101.34,80.88 v2(100.81,78.39) L43.7
Net-(L34-Pad3): length 28.4
  Top w0.4: v2(83.78,68.65) 86.96,68.31 87.43,68.26 87.89,68.2 88.35,68.12 88.81,68.04 89.27,67.95 89.72,67.85 90.17,67.73 90.63,67.61 91.07,67.48 91.52,67.34 91.96,67.19 92.4,67.04 92.84,66.87 93.27,66.69 93.7,66.51 v2(96.62,65.21) ; 97.56,60.03 97.2,60.19 97.09,60.24 97,60.3 96.91,60.38 96.82,60.46 96.75,60.55 96.69,60.64 96.64,60.75 96.6,60.85 96.57,60.97 96.55,61.08 96.54,61.19 96.55,61.31 96.57,61.42 96.6,61.53 v2(96.64,61.64) ; L34.3 v2(81.99,65.57)
  Bottom w0.4: v2(83.78,68.65) 83.7,68.65 83.61,68.65 83.52,68.64 83.44,68.62 83.36,68.59 83.28,68.56 83.2,68.52 83.13,68.47 83.06,68.42 83,68.36 82.94,68.3 82.89,68.23 82.84,68.15 82.81,68.07 82.78,67.99 v2(81.99,65.57) 81.97,65.45 81.94,65.34 81.9,65.23 81.85,65.13 81.78,65.04 81.71,64.95 81.63,64.86 81.54,64.79 81.44,64.73 81.34,64.68 81.23,64.64 81.12,64.61 81.01,64.59 80.89,64.58 80.78,64.59 80.38,64.63 ; v2(96.62,65.21) 96.7,65.17 96.77,65.12 96.84,65.07 96.91,65.01 96.97,64.95 97.02,64.88 97.06,64.81 97.1,64.73 97.14,64.65 97.16,64.56 97.18,64.48 97.19,64.39 97.19,64.31 97.18,64.22 97.17,64.14 v2(96.64,61.64) L44.5
